# Allegro board MK60_PACK_V10A.brd (continued)
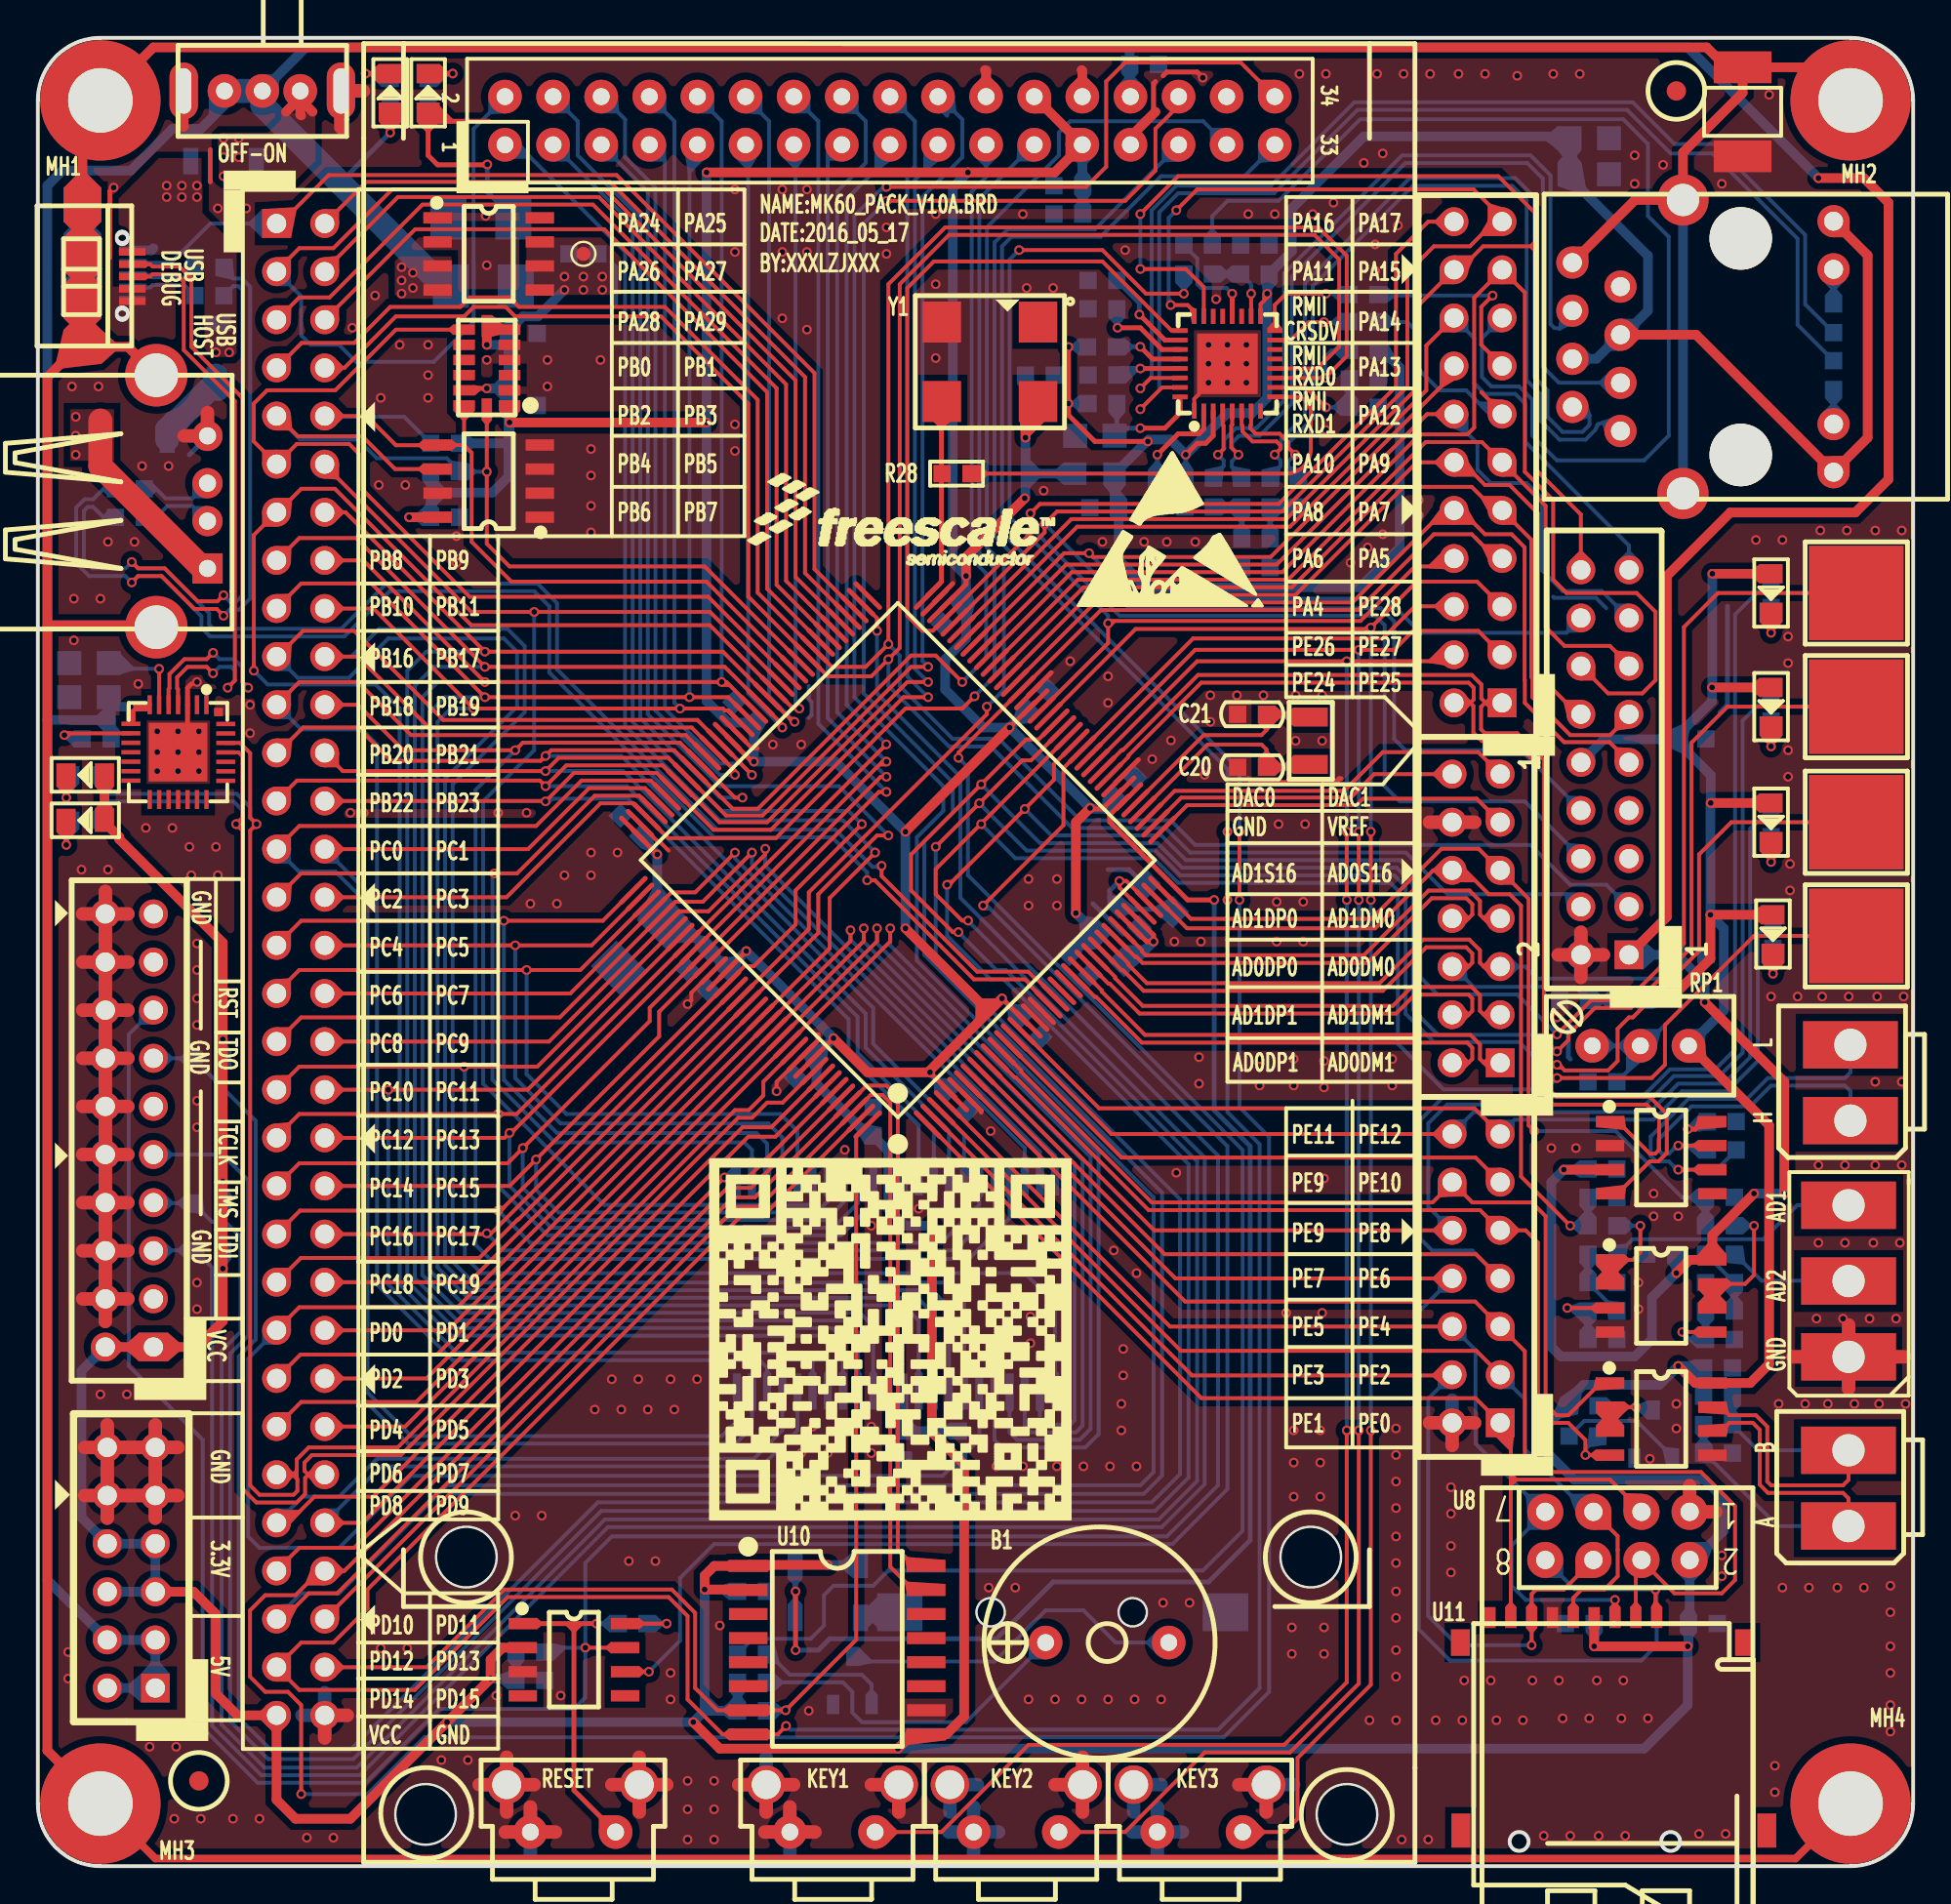
[diagram p0: board, top side]
## Routing (per net, layer and track width the routed paths; a pad name or vN(x,y) marks a point on that pad's centre or on a via; arc(x,y) is an arc through that point)
GND: length 326.9
  TOP w0.203: 38,59 37.7,59 36.74,59.96 U2.93 ; U2.107 31.79,55.01 32.7,54.1 32.8,54.1 33.3,53.6 ; v1(39,40.9) 39,41.4 U2.134 ; U2.121 35.67,47.27 34.5,46.1 34.5,45.7 v1(34.3,45.5) ; 61.3,77.7 61.05,77.45 U5.1
  TOP w0.254: U2.57 52.29,61.79 53.5,63 ; 41.2,43.9 41.2,43.6 40.27,42.67 U2.134 ; 48.3,67.7 47.34,66.74 U2.71 ; 59,92.6 58.9,92.7 58.9,94.1 59,94.2 ; U2.6 49.8,39.86 49.8,39.8 ; 68.8,57.4 68.7,57.4 68.5,57.2 64.1,57.2 63.9,57.4 ; U2.44 56.89,57.19 58.1,58.4 ; 59.4,94.5 59.6,94.7 61.2,94.7 v1(61.5,94.4) ; v1(7.4,58.8) 7.9,59.3 U14.3 7.9,62.2 8.1,62.4 ; 9.1,90.6 9.1,88.9 ; v1(4,88.6) 3.8,88.4 3.8,84.9
  TOP w0.508: 50,94.8 50.06,94.74 J2.22 ; SW5.5 7.7,91.8 ; 55.1,94.8 55.14,94.76 J2.26 ; J2.27 57.68,91.28 59,92.6
  TOP w0.711: J3.16 4.75,45.18 ; J3.16 2.37,45.18 ; J3.16 3.56,43.99 ; J3.16 3.56,46.37 ; 24.68,1.8 SW2.2 ; SW2.2 27.32,1.8 ; SW2.2 26,3.12 ; J3.18 4.75,47.72 ; J3.18 3.56,46.53 ; J3.18 2.37,47.72 ; J3.18 3.56,48.91 ; J8.11 7.39,22.1 ; J8.11 6.2,20.91 ; J8.11 6.2,23.29 ; J8.11 5.01,22.1 ; 2.37,37.56 J3.10 ; J3.10 3.56,36.37 ; J3.10 4.75,37.56 ; J3.10 3.56,38.75 ; 38.38,1.8 SW1.2 ; SW1.2 39.7,3.12 ; SW1.2 41.02,1.8 ; 63.4,4.3 SW4.4 64.85,2.85 ; 6.2,18.37 J8.9 ; J8.9 7.39,19.56 ; J8.9 6.2,20.75 ; J8.9 5.01,19.56 ; J8.12 3.66,23.29 ; J8.12 2.47,22.1 ; J8.12 3.66,20.91 ; J8.12 4.85,22.1 ; J3.12 4.75,40.1 ; J3.12 2.37,40.1 ; J3.12 3.56,38.91 ; J3.12 3.56,41.29 ; 2.37,29.94 J3.4 ; J3.4 4.75,29.94 ; J3.4 3.56,28.75 ; J3.4 3.56,31.13 ; 92.66,26.88 J10.1 ; J10.1 98.53,26.88 ; J10.1 95.59,28.56 ; J10.1 95.59,25.2 ; J7.2 75.85,23.4 ; J7.2 74.66,22.21 ; J7.2 73.47,23.4 ; 81.46,46.91 J5.2 ; J5.2 82.65,48.1 ; J5.2 80.27,48.1 ; J5.2 81.46,49.29 ; 2.37,32.48 J3.6 ; J3.6 4.75,32.48 ; J3.6 3.56,33.67 ; J3.6 3.56,31.29 ; 3.56,41.45 J3.14 ; J3.14 3.56,43.83 ; J3.14 4.75,42.64 ; J3.14 2.37,42.64 ; SW3.4 55.15,5.75 ; SW3.4 55.15,2.85 ; SW3.4 53.7,4.3 ; 8.95,76.73 USB3.4 7.72,75.49 ; 17.18,93.7 SW5.1 16,91.77 ; 2.37,35.02 J3.8 ; J3.8 3.56,36.21 ; J3.8 3.56,33.83 ; J3.8 4.75,35.02 ; 2.37,50.26 J3.20 ; J3.20 3.56,51.45 ; J3.20 4.75,50.26 ; J3.20 3.56,49.07 ; SW2.1 24.75,5.75 ; SW2.1 24.75,2.85 ; SW2.1 26.2,4.3 ; SW2.1 23.3,4.3 ; 2.47,19.56 J8.10 ; J8.10 3.66,18.37 ; J8.10 4.85,19.56 ; J8.10 3.66,20.75 ; 75.85,55.1 J6.12 73.47,55.1 ; 38.45,2.85 SW1.1 ; SW1.1 39.9,4.3 ; SW1.1 37,4.3 ; 31.75,2.85 SW2.4 ; SW2.4 33.2,4.3 ; SW2.4 31.75,5.75 ; SW2.4 30.3,4.3 ; 15.14,6.77 J1.64 16.33,7.96 ; 87.2,20.08 U8.1 88.58,18.7 ; 45.45,2.85 SW1.4 44,4.3
  BOTTOM w0.203: 40.7,62.3 40.7,61.6 40.84,61.46 40.84,60.74 40.7,60.6 ; 80,67 80.05,66.95 82.25,66.95 82.8,66.4
  BOTTOM w0.254: 30.3,84.6 30.5,84.4 30.5,82.5 30.4,82.4 ; 57.3,49.2 55.7,50.8 ; 56.5,52.6 57.6,52.6 58.36,51.84 L2.1 ; 80.9,42.6 80.8,42.7 80.8,44.1 81,44.3 ; 88.8,60.9 89.2,61.3 89.2,66.5 ; 8,74.5 8.95,75.45 USB3.4
  BOTTOM w0.508: 50.1,94.8 50.06,94.76 J2.22 ; J2.26 55.14,94.76 55.1,94.8 ; USB2.5 5.98,85.28 6.1,85.4
  BOTTOM w0.711: 3.66,18.37 J8.10 ; J8.10 4.85,19.56 ; J8.10 3.66,20.75 ; J3.20 3.56,51.45 ; J3.20 4.75,50.26 ; J3.20 2.37,50.26 ; J3.20 3.56,49.07 ; 38.38,1.8 SW1.2 ; SW1.2 41.02,1.8 ; SW1.2 39.7,0.48 ; SW1.2 39.7,3.12 ; 13.95,7.96 J1.64 ; J1.64 16.33,7.96 ; J1.64 15.14,9.15 ; J1.64 15.14,6.77 ; 6.2,18.37 J8.9 ; J8.9 5.01,19.56 ; J8.9 7.39,19.56 ; J8.9 6.2,20.75 ; 75.85,55.1 J6.12 73.47,55.1 ; SW4.2 60.42,1.8 ; SW4.2 59.1,3.12 ; SW4.2 57.78,1.8 ; SW4.2 59.1,0.48 ; 2.37,45.18 J3.16 ; J3.16 3.56,43.99 ; J3.16 3.56,46.37 ; J3.16 4.75,45.18 ; 16,91.77 SW5.1 17.18,93.7 ; 57.85,2.85 SW4.1 59.3,4.3 ; 2.37,32.48 J3.6 ; J3.6 3.56,31.29 ; J3.6 3.56,33.67 ; J3.12 3.56,41.29 ; J3.12 2.37,40.1 ; J3.12 3.56,38.91 ; 95.59,25.2 J10.1 ; J10.1 92.66,26.88 ; J10.1 95.59,28.56 ; J10.1 98.53,26.88 ; SW2.1 26.2,4.3 ; SW2.1 24.75,2.85 ; SW2.1 24.75,5.75 ; SW2.1 23.3,4.3 ; J8.12 4.85,22.1 ; J8.12 3.66,20.91 ; J8.12 3.66,23.29 ; 80.27,48.1 J5.2 ; J5.2 81.46,49.29 ; J5.2 82.65,48.1 ; 74.66,24.59 J7.2 74.66,22.21 ; 26,0.48 SW2.2 ; SW2.2 24.68,1.8 ; SW2.2 26,3.12 ; SW2.2 27.32,1.8 ; J3.4 3.56,31.13 ; J3.4 3.56,28.75 ; J3.4 2.37,29.94 ; 45.45,2.85 SW1.4 44,4.3 ; 3.56,36.37 J3.10 ; J3.10 2.37,37.56 ; J3.10 3.56,38.75 ; 2.37,42.64 J3.14 ; J3.14 3.56,43.83 ; J3.14 3.56,41.45 ; J3.18 3.56,48.91 ; J3.18 4.75,47.72 ; J3.18 2.37,47.72 ; J3.18 3.56,46.53 ; 48.08,1.8 SW3.2 ; SW3.2 49.4,3.12 ; SW3.2 49.4,0.48 ; SW3.2 50.72,1.8 ; 3.56,33.83 J3.8 ; J3.8 2.37,35.02 ; J3.8 3.56,36.21 ; J8.11 7.39,22.1 ; J8.11 6.2,23.29 ; J8.11 6.2,20.91 ; J8.11 5.01,22.1 ; 49.6,4.3 SW3.1 48.15,2.85 ; SW1.1 38.45,5.75 ; SW1.1 39.9,4.3 ; SW1.1 38.45,2.85 ; SW1.1 37,4.3 ; 64.85,2.85 SW4.4 ; SW4.4 63.4,4.3 ; SW4.4 66.3,4.3 ; SW2.4 33.2,4.3 ; SW2.4 30.3,4.3 ; SW2.4 31.75,2.85 ; SW2.4 31.75,5.75 ; 55.15,2.85 SW3.4 53.7,4.3
  vias: v1(1.6,11.3) v1(1.6,9.9) v1(1.8,78.1) v1(1.9,66.9) v1(1.9,64.7) v1(2.3,52.6) v1(3.2,78.1) v1(3.3,66.9) v1(3.3,24.9) v1(3.7,69.9) v1(3.7,52.6) v1(4.7,24.9) v1(5.1,69.9) v1(5.3,62.4) v1(5.5,73.9) v1(5.7,54.8) v1(5.9,6.3) v1(6.3,59.9) v1(6.3,58.8) v1(6.3,57.8) v1(6.9,73.9) v1(7.1,54.8) v1(7.2,2.5) v1(7.3,6.3) v1(7.4,59.9) v1(7.4,57.8) v1(8,53.8) v1(8.1,52.3) v1(8.4,62.5) v1(8.4,48.7) v1(8.4,47.3) v1(8.4,45.8) v1(8.4,44.4) v1(8.4,40.4) v1(8.4,39) v1(8.4,30.8) v1(8.4,29.4) v1(8.5,59.9) v1(8.5,58.8) v1(8.5,57.8) v1(8.6,2.5) v1(9.4,53.8) v1(9.5,87.5) v1(9.5,52.3) v1(10.3,2.5) v1(11,87.5) v1(11.2,61.3) v1(11.2,59.8) v1(11.7,2.5) v1(14.2,1.5) v1(15.6,1.5) v1(16.5,55.6) v1(16.6,81.2) v1(17.2,55.6) v1(17.8,82.9) v1(18,72.9) v1(18.1,77.5) v1(18.1,11.5) v1(19.1,80.3) v1(19.4,72.9) v1(19.5,11.5) v1(20.6,80.3) v1(20.6,78.7) v1(20.6,77.5) v1(21.3,5.6) v1(22.1,70.2) v1(22.1,68.8) v1(22.7,5.6) v1(23.64,87.1) v1(23.7,84.5) v1(23.7,79.5) v1(24.2,9) v1(24.3,55.6) v1(25.2,18.5) v1(25.8,55.6) v1(26,50.8) v1(26.6,18.5) v1(26.9,79.5) v1(26.9,78.1) v1(27.4,50.8) v1(27.6,9) v1(27.8,52.3) v1(29.2,74.8) v1(29.2,73.4) v1(29.2,71.8) v1(29.2,70.4) v1(29.2,53.5) v1(29.2,52.3) v1(29.4,24.1) v1(29.7,79.5) v1(30.3,25.7) v1(30.6,53.5) v1(30.8,24.1) v1(31.2,16.1) v1(31.7,25.7) v1(32.2,24.1) v1(32.6,16.1) v1(33.4,25.7) v1(33.4,10.2) v1(33.4,8.8) v1(33.6,24.1) v1(34.3,4.5) v1(34.3,3) v1(34.3,1.4) v1(34.8,25.7) v1(35.7,4.5) v1(35.7,3) v1(35.7,1.4) v1(36,12.7) v1(36.8,88.5) v1(36.8,85.2) v1(36.8,76.1) v1(36.8,74.7) v1(38.8,59.2) v1(39.3,88.5) v1(39.3,85.2) v1(39.3,81.7) v1(40.3,59.2) v1(40.3,21.8) v1(40.6,88.5) v1(40.6,85.2) v1(40.6,81.1) v1(40.7,8.2) v1(40.9,23.2) v1(41.7,21.8) v1(42.3,23.2) v1(42.6,37.81) v1(44,33.8) v1(44,23.2) v1(44,21.8) v1(44.8,86.5) v1(44.8,85.1) v1(46.5,34.7) v1(47.4,87.2) v1(47.4,83.5) v1(47.4,79.6) v1(48.1,34.7) v1(50.2,14.7) v1(50.3,38.8) v1(50.4,29) v1(50.4,27.6) v1(50.6,21.1) v1(50.8,32.3) v1(51.6,14.7) v1(52,87.2) v1(52,21.1) v1(52.2,83.3) v1(52.2,32.3) v1(52.3,52.1) v1(52.3,50.7) v1(52.3,8.8) v1(52.4,29) v1(52.4,27.6) v1(53.1,72.6) v1(53.6,83.3) v1(53.7,8.8) v1(53.8,52.1) v1(53.8,50.7) v1(53.8,21.1) v1(54.5,63.6) v1(55.1,8.8) v1(55.2,21.1) v1(56.2,69.9) v1(56.5,62.8) v1(56.5,61.4) v1(56.5,8.8) v1(56.6,21.1) v1(56.8,32.5) v1(57.2,24.4) v1(57.2,23) v1(57.3,27.3) v1(57.3,25.9) v1(57.4,85.3) v1(57.9,8.8) v1(58,31.3) v1(58,21.1) v1(58.4,69.9) v1(58.83,58.43) v1(59.3,8.8) v1(59.4,13.9) v1(59.6,69.9) v1(59.82,59.42) v1(60,48.8) v1(60.1,36.6) v1(60.8,13.9) v1(61.1,69.9) v1(61.3,42.7) v1(61.3,41.3) v1(61.4,48.8) v1(61.6,57.6) v1(61.8,80.3) v1(61.8,79.3) v1(61.8,78.3) v1(61.9,61.8) v1(61.9,60.4) v1(62.2,82.71) v1(62.4,69.9) v1(62.8,80.3) v1(62.8,79.3) v1(62.8,78.3) v1(63.3,61.8) v1(63.8,80.3) v1(63.8,79.3) v1(63.8,78.3) v1(63.9,87.2) v1(64.5,42.6) v1(64.5,41.2) v1(64.7,61.8) v1(65.3,87.2) v1(65.4,50.9) v1(65.4,48.8) v1(65.5,55) v1(65.9,29.2) v1(66.2,12.6) v1(66.2,11.2) v1(66.3,42.6) v1(66.3,41.2) v1(66.3,23) v1(66.3,21.3) v1(66.3,19.5) v1(66.4,61.8) v1(66.4,59.4) v1(66.5,36.3) v1(66.6,94.6) v1(66.8,50.9) v1(66.8,48.8) v1(66.9,55) v1(67.3,87.2) v1(67.7,23) v1(67.7,21.3) v1(67.7,19.5) v1(67.8,61.8) v1(67.8,59.4) v1(67.8,29.2) v1(67.9,42.5) v1(67.9,41.1) v1(67.9,36.3) v1(67.9,12.6) v1(67.9,11.2) v1(68,94.6) v1(68,75.8) v1(68.4,87.8) v1(69.3,68.8) v1(70,89.9) v1(70.2,69.6) v1(70.3,7.7) v1(70.6,85.6) v1(70.6,84.2) v1(70.7,94.6) v1(71,90.4) v1(71,70.3) v1(71.5,42.6) v1(71.5,41.2) v1(71.7,23.1) v1(71.7,21.7) v1(71.7,20.3) v1(71.7,18.9) v1(71.7,17.4) v1(71.7,16) v1(71.7,14.5) v1(71.7,13.1) v1(71.7,11.4) v1(71.7,10) v1(71.7,7.7) v1(71.8,86.6) v1(72,1.4) v1(72.1,94.6) v1(72.9,72.1) v1(72.9,71.3) v1(73.4,1.4) v1(73.5,94.6) v1(73.8,7.7) v1(74.6,20) v1(74.6,18.6) v1(74.6,16.9) v1(74.6,15.5) v1(75,94.6) v1(75.2,7.7) v1(75.3,9.8) v1(76.4,94.6) v1(76.7,9.8) v1(77,7.7) v1(78.1,94.5) v1(78.4,7.7) v1(78.9,9.8) v1(79.5,1.6) v1(79.9,37.9) v1(80,94.6) v1(80.2,44.8) v1(80.3,9.8) v1(80.5,7.8) v1(80.9,1.6) v1(81.2,37.9) v1(81.4,94.6) v1(81.9,7.8) v1(82.3,9.8) v1(82.4,1.6) v1(83.6,7.8) v1(83.7,9.8) v1(83.8,1.6) v1(84.3,90.3) v1(84.3,88.8) v1(84.5,30.8) v1(84.5,29.4) v1(85,7.8) v1(85.1,21.5) v1(85.3,35.5) v1(85.3,34.3) v1(85.8,89.8) v1(86.5,24.4) v1(86.5,23.1) v1(86.6,34.3) v1(87.7,1.7) v1(88.9,88.8) v1(88.9,16.4) v1(88.9,15.3) v1(89.1,1.7) v1(90.7,70) v1(91.4,93.5) v1(91.5,45.9) v1(91.7,5.3) v1(91.7,3.9) v1(91.9,24.4) v1(92.1,70) v1(92.1,14.7) v1(92.4,64.9) v1(92.4,63.5) v1(92.4,58.9) v1(92.4,57.5) v1(92.5,52.9) v1(92.5,51.5) v1(92.9,45.9) v1(93.3,24.4) v1(93.5,14.7) v1(93.9,28.9) v1(94,37) v1(94,32.9) v1(94.1,70.5) v1(94.2,45.9) v1(94.5,24.4) v1(95,14.7) v1(95.3,28.9) v1(95.4,37) v1(95.4,32.9) v1(95.5,70.5) v1(95.6,45.9) v1(95.9,24.4) v1(96.4,14.7) v1(96.7,28.9) v1(96.9,32.9) v1(97,70.5) v1(97,41.4) v1(97,37) v1(97.1,45.9) v1(97.2,24.4) v1(97.8,14.8) v1(97.8,13.4) v1(97.8,11.6) v1(97.8,10.2) v1(97.8,8.5) v1(97.8,7.1) v1(98.1,28.9) v1(98.3,32.9) v1(98.4,70.5) v1(98.4,41.4) v1(98.4,37) v1(98.5,45.9) v1(98.6,24.4)
GND_EARTH: length 335.3
  TOP w0.4: MH3.1 6.2,0.4 92.8,0.4 MH4.1
  TOP w0.508: 0.5,65.4 0.5,78.6 2.09,80.19 USB1.9 ; 0.5,65.4 0.6,65.5 6.15,65.5 USB3.5 ; 0.5,65.4 0.5,6.1 MH3.1 ; J9.8 84.31,87.94 86.85,87.94 86.85,90.45 90,93.6 BEAD1.1 ; BEAD1.1 89.15,94.95 88.1,96 6.1,96 MH1.1 2.35,92.25 USB1.6 USB1.7 USB1.8 USB1.9 ; BEAD1.1 93.85,94.95 95.6,93.2 MH2.1 ; USB1.9 4.75,80.19 USB3.6
  BOTTOM w0.508: USB3.6 4.75,80.19 USB1.9 USB2.7 USB2.8 USB1.6 ; 86.85,87.94 J9.13
VBAT: length 77.3
  TOP w0.254: v1(40,11.4) v1(40,14.5) ; U2.42 57.56,56.46 56.58,55.48 56.58,55.12 60.7,51 v1(62.1,51)
  BOTTOM w0.254: v1(40,11.4) 41.2,11.4 41.8,12 50.6,12 53.6,15 61.8,15 64,17.2 64,38 62.1,39.9 v1(62.1,51) ; D6.2 D5.2 40,15.87 v1(40,14.5)
VCC_3V3: length 616.9
  TOP w0.254: v1(23.73,89.82) 23.72,89.82 23.7,89.8 21.1,89.8 20.6,90.3 D11.1 20.72,92.58 21.2,92.1 23.8,92.1 ; U2.135 40.63,42.33 v1(42,43.7) ; U2.43 57.21,56.81 56.2,55.8 55.6,55.8 v1(55.55,55.85) ; v1(37.8,58.3) 37.7,58.3 36.38,59.62 U2.94 ; U2.16 52.26,44.44 v1(50.9,45.8) ; v1(49,68.1) 49,67.66 U2.70 ; v1(47.1,41.9) 48.41,40.59 U2.5 ; v1(51.3,60.1) 52.61,61.41 U2.56 ; U6.12 22.6,78 v1(23.7,78) ; 31.43,54.69 31.43,54.67 v1(32.7,53.4) ; U2.122 36.03,46.93 v1(37.4,48.3)
  TOP w0.508: v1(52.1,72.2) 49,69.1 v1(49,68.1) ; D1.1 v1(88.4,68.22) ; v1(19.6,71.2) U7.8 ; v1(87.1,11.6) v1(82.16,11.6) U11.4 ; v1(86.1,45.7) 88.3,47.9 v1(88.3,50.22) D4.1 ; U3.2 24.53,11.53 23.9,10.9 v1(23.9,9.9) v1(21.6,7.6) 16.5,2.5 13.6,2.5 12.6,3.5 J1.63 10.54,7.96 9.4,9.1 9.4,13.3 8.22,14.48 J8.5 ; v1(34.6,7.6) 36,6.2 v1(45.4,6.2) 46.16,6.96 U10.9 47.95,6.96 48.9,7.9 48.9,21.2 47.2,22.9 v1(47.2,22.96) v1(47.2,33.8) ; D2.1 v1(88.38,62.22) ; v1(35.3,89.4) v1(49.1,89.4) 53.68,89.4 J2.25 J2.24 ; 50.2,45.1 v1(50.9,45.8) ; 50.2,45.1 47.1,42 v1(47.1,41.9) 43.8,41.9 v1(42,43.7) ; 50.2,45.1 v1(45.8,49.5) ; v1(54.8,50.3) 54.8,55.1 v1(55.55,55.85) ; v1(86.6,26.4) 87.5,25.5 U13.8 90.4,25.5 91.4,26.5 91.4,39.1 87.2,43.3 RP1.1 ; v1(41.7,15.9) 37.56,15.9 37.5,15.85 35.71,15.85 35.2,15.34 v1(35.2,14.6) 37.48,14.6 37.5,14.57 ; v1(52.14,75.4) 52.14,76.65 Y1.4 ; v1(35.3,76.2) v1(24.9,76.2) U6.1 ; J3.2 J3.1 8.4,27.4 9.76,28.76 v1(9.76,31.54) v1(9.76,36.14) v1(9.76,43.64) 9.76,48.74 4.29,54.21 4.29,54.32 3.52,55.1 D8.1 D7.1 ; U6.6 23.9,81.1 U6.7 v1(23.7,80.3) ; v1(51.3,60.1) v1(45.8,54.6) ; D3.1 v1(88.32,56.12)
  BOTTOM w0.203: R11.2 v1(86.1,45.7)
  BOTTOM w0.254: v1(47.1,41.9) 47.1,41.8 C16.2 ; v1(50.9,45.8) C9.2 ; C48.1 23.73,88.37 v1(23.73,89.82)
  BOTTOM w0.508: J3.2 2.3,26.14 2.3,18.4 3.66,17.04 J8.8 J8.7 J8.5 J8.6 ; v1(45.4,6.2) 84.8,6.2 87.1,8.5 v1(87.1,11.6) 87.14,11.64 C34.1 87.2,12.86 U8.2 87.46,16.16 89,17.7 89,19.4 88,20.4 81.1,20.4 79.7,21.8 79.7,23.3 80.7,24.3 R49.1 80.84,24.64 81.6,25.4 85.6,25.4 v1(86.6,26.4) 87.84,26.4 C44.1 R48.2 ; J2.25 55.14,88.72 C50.2 C51.2 ; R12.2 C6.2 25.14,9.9 v1(23.9,9.9) ; R36.1 20.74,72.5 ; 20.74,72.5 C33.1 v1(19.6,71.2) ; 20.74,72.5 24,72.5 24.84,73.34 24.84,75.2 ; C4.1 86.52,59.48 82.68,59.48 J5.10 ; C4.1 86.54,59.64 88.38,61.48 v1(88.38,62.22) 88.4,62.23 v1(88.4,68.22) ; C4.1 86.54,59.36 88.32,57.58 v1(88.32,56.12) 88.3,56.1 v1(88.3,50.22) 88.3,50.2 89,49.5 89,45.16 RP1.1 ; C42.1 82.16,11.6 v1(82.16,11.6) ; C11.2 55.56,49.24 L1.1 v1(54.8,50.3) ; C13.2 31.84,54.26 v1(32.7,53.4) 32.7,50.2 C19.1 33.98,49.8 C10.2 C17.2 v1(37.4,48.3) 41.39,44.31 41.39,44.31 41.81,43.89 41.81,43.89 v1(42,43.7) C7.2 41.1,42.68 41.1,41.3 43.86,38.54 C2.1 44.9,37.74 U1.33 44.9,34.7 45.8,33.8 v1(47.2,33.8) ; C8.2 56.31,55.81 55.59,55.81 v1(55.55,55.85) v1(51.3,60.1) ; C5.2 v1(52.14,75.4) 52.14,73.5 ; v1(51.3,60.1) 52.16,60.96 C12.2 ; v1(51.3,60.1) 49.9,60.1 47.9,62.1 47.9,63.7 49,64.8 49,66.48 C15.2 49,66.8 v1(49,68.1) 48.3,68.8 48.3,88.6 v1(49.1,89.4) ; 52.14,73.5 52.14,72.24 v1(52.1,72.2) ; 52.14,73.5 L3.1 ; v1(23.7,78) 24.84,78 ; 24.84,78 24.84,80.3 ; 24.84,78 C32.1 24.84,75.2 ; 35.2,8.2 v1(34.6,7.6) v1(21.6,7.6) ; 35.2,8.2 R41.2 R4.1 ; 35.2,8.2 v1(35.2,14.6) 36.84,14.6 C39.1 ; 24.84,80.3 C36.1 24.84,81.04 25.6,81.8 26.4,81.8 v1(27.8,83.2) ; 24.84,80.3 v1(23.7,80.3) ; R1.1 v1(47.2,22.96) C1.2 U1.11 ; R8.2 v1(9.76,31.54) ; 24.84,75.2 24.74,75.1 R35.1 ; 24.84,75.2 24.9,75.26 v1(24.9,76.2) ; v1(35.3,89.4) v1(35.3,76.2) 35.3,61.5 36.44,60.36 C14.2 37.8,60.32 v1(37.8,58.3) 42.1,58.3 v1(45.8,54.6) v1(45.8,49.5) ; R10.2 v1(9.76,43.64) ; v1(9.76,36.14) R9.2 ; D5.1 v1(41.7,15.9)
  vias: v1(27.8,83.9) v1(28.8,83.9) v1(28.8,83.2) v1(29.8,83.9) v1(29.8,83.2)
VCC_5V: length 319.9
  TOP w0.254: U14.7 5.8,61.3 5.7,61.2 ; U14.8 4.91,60.49 4.9,60.5 ; D12.1 v1(18.6,91.5)
  TOP w0.508: 4.9,60.5 v1(4.9,61.2) 5.7,61.2 ; U12.3 v1(80.56,36.76) ; v1(86.5,31.3) 87.2,32 U9.8 88.4,33.3 v1(90.6,35.5) ; v1(92.2,35.5) 92.2,41.4 v1(88,45.6) ; v1(94,89.1) 96.4,89.1 97.7,87.8 97.7,73.2 95.95,71.45 89.35,71.45 86,68.1 86,50.1 J5.1
  BOTTOM w0.254: 15.95,88.85 18.6,91.5 v1(18.6,91.5)
  BOTTOM w0.508: J5.1 C3.1 88,46.64 v1(88,45.6) ; C46.1 3.86,61.58 ; 3.86,61.58 3.86,60.5 ; 3.86,61.58 4.24,61.2 v1(4.9,61.2) ; 57.6,96 57.64,95.96 C52.2 57.64,93.44 J2.28 ; 57.6,96 87.1,96 v1(94,89.1) ; 57.6,96 14.15,96 SW5.3 ; R55.2 3.86,60.5 ; 3.86,60.5 0.5,60.5 ; 0.5,60.5 0.5,15.1 J8.4 J8.3 J8.1 J8.2 ; 0.5,60.5 0.5,88.7 1.3,89.5 4.9,89.5 7.1,91.7 8.6,91.7 9.85,92.95 SW5.4 ; v1(90.6,35.5) v1(92.2,35.5) ; C35.2 86.5,32.26 v1(86.5,31.3) 85.21,30.01 85.21,27.81 84.3,26.9 80.41,26.9 79.9,27.41 79.9,36.1 v1(80.56,36.76) 81.8,36.76 C43.1
  BOTTOM w1.27: C47.1 21.4,83.4 11.85,92.95 SW5.3 SW5.4
  vias: v1(19.2,84.4) v1(19.2,83.7) v1(19.2,83) v1(19.8,84.1) v1(19.8,83.3)
VCC_KSZ8041: length 130.4
  TOP w0.203: v1(64.9,83) 64.9,82.8 64.55,82.45 U5.17
  TOP w0.254: v1(58.6,75.2) 55.8,75.2 54.41,76.59 54.41,77.4 ; 54.41,77.4 v1(54.41,80.19) ; 54.41,77.4 54.4,77.39 v1(54.4,77.2) ; v1(60.6,74.5) 61.2,75.1 61.65,75.1 62.05,75.5 U5.3
  TOP w0.508: J9.5 87.55,80.83 J9.9 94.8,73.6 96.6,75.4 96.6,85.03 J9.12
  BOTTOM w0.254: R16.1 v1(54.4,77.2) ; v1(60.6,74.5) 60.6,73.31 C26.2 ; R27.2 v1(54.41,80.19) ; v1(58.6,75.2) 58.6,75.26
  BOTTOM w0.508: R32.1 71,80 71.9,79.1 71.9,69.6 69.8,67.5 58.5,67.5 57.06,68.94 C27.2 56.84,71.92 L3.2 58.64,75.3 59.8,75.3 v1(60.6,74.5) 62.8,76.7 64.1,76.7 64.9,77.5 v1(64.9,83) 64.9,83.94 C25.2 66.2,85.24 66.2,87.5 70,91.3 79.74,91.3 79.84,91.2 C23.2 C28.1 80.86,89.14 85,85 85,82.1 83.73,80.83 J9.5 82.28,79.56 J9.4
VCC_VUSB: length 4.9
  BOTTOM w1.27: D10.2 9.4,78.07 9.4,78.32 ; 9.4,78.32 7.28,76.21 7.21,76.21 6.83,75.83 D9.1 ; 9.4,78.32 9.4,78.67
  vias: v1(6.8,88.7) v1(6.8,88.1) v1(7.6,88.7) v1(7.6,88.1) v1(8.4,88.7) v1(8.4,88.1) v1(9.4,79.9) v1(10.1,79.9)
VDDA3V3: length 6.4
  TOP w0.254: U2.31 58.54,48.8 v1(58.9,48.8) 58.9,49.15 U2.32
  BOTTOM w0.508: C18.1 v1(58.9,48.8) 57.86,47.76 L1.2
VSSA: length 8.9
  TOP w0.203: U2.33 57.1,51.65 v1(57.1,52) 57.46,52 U2.34
  BOTTOM w0.254: v1(57.1,52) 56.58,51.48 56.58,51.12 C18.2 57.2,50.5 59.8,50.5 L2.2
485_R: length 47.5
  TOP w0.203: U13.1 82.5,25.5 80.8,23.8 80.17,23.8 79.6,24.37 79.6,34.3 78.87,35.03 75.73,35.03 J7.12 74.66,36.06 73.63,35.03 58.8,35.03 51.92,41.92 51.92,41.99 U2.12
485_T: length 48
  TOP w0.203: U2.11 51.56,41.63 51.63,41.63 58.64,34.63 76.13,34.63 J7.9 78.54,33.56 79.19,32.91 79.19,24.21 80.01,23.39 80.8,23.39 81.7,22.49 v1(81.7,21.7) 82.99,21.7 U13.4
  BOTTOM w0.203: R52.2 82.36,22.66 81.7,22 v1(81.7,21.7)
A4: length 95.1
  TOP w0.203: v1(70.37,23) 70.37,9.57 66.5,5.7 66.5,2.5 65.8,1.8 SW4.3 ; v1(70.37,51) v1(70.37,54.6) ; J4.5 75.98,67.8 72.8,67.8 v1(70.37,65.37) 70.3,65.3 57.95,65.3 53.35,60.7
  BOTTOM w0.203: v1(70.37,65.37) v1(70.37,54.6) ; v1(70.37,51) v1(70.37,23)
A6: length 111.6
  TOP w0.203: J4.7 76.98,69.02 75.7,70.3 73.7,70.3 69.7,66.3 56.12,66.3 U2.58 48.6,58.77 v1(48.6,58.5)
  BOTTOM w0.203: v1(48.6,58.5) 49.1,58 49.1,52.3 63.6,37.8 63.6,17.7 61.5,15.6 44.9,15.6 44.1,14.8 42,14.8 41.5,14.3 41.5,12.7 40.8,12 37.74,12 R6.1
A7: length 46.5
  TOP w0.203: U2.59 55.82,66.7 69.4,66.7 74.26,71.56 J4.10 75.14,71.56 76.4,70.3 77.8,70.3 78.49,69.61 78.49,62.61 78.5,62.59 78.5,61.4 80.57,59.33 82.97,59.33 84,58.3 J5.9
A8: length 47.7
  TOP w0.203: J5.11 84,60.7 83,59.7 80.9,59.7 78.9,61.7 78.9,62.7 78.84,62.75 78.84,70.02 J4.9 76.94,71.56 75.7,72.8 72.1,72.8 66.4,67.1 55.51,67.1 51.23,62.82 U2.60
A9: length 45.6
  TOP w0.203: J5.12 81.3,60.8 79.2,62.9 79.2,71.4 77.7,72.9 76.4,72.9 75.2,74.1 J4.12 72.8,74.1 66.2,67.5 55.2,67.5 U2.61
A10: length 47
  TOP w0.203: U2.62 54.9,67.9 66,67.9 73.27,75.17 76.23,75.17 J4.11 79.6,71.8 79.6,65.4 80.59,64.41 82.99,64.41 84,63.4 J5.13
A11: length 71.6
  TOP w0.203: U2.63 54.59,68.3 65.7,68.3 72.97,75.57 75.47,75.57 75.83,75.93 75.83,82.79 J4.19 78.5,83.06 78.5,73.6 80,72.1 80,67.9 80.7,67.2 84.4,67.2 85.4,66.2 85.4,62.6 84.7,61.9 82.9,61.9 J5.14
A12: length 47
  TOP w0.203: U2.64 49.82,64.24 54.28,68.7 65.4,68.7 73.34,76.64 J4.14
  BOTTOM w0.203: J5.15 83.98,65.88 82.56,67.3 80.5,67.3 79.4,68.4 79.4,72.2 78.6,73 76.7,73 76,73.7 76,75.1 74.76,76.34 J4.14
A13: length 59.8
  TOP w0.203: U2.65 54.17,69.3 v1(55.5,69.3) 55.7,69.1 65.08,69.1 74.76,78.78 J4.16
  BOTTOM w0.203: v1(55.5,69.3) 57.9,66.9 71.2,66.9 73,65.1 80.7,65.1 81.46,65.86 J5.16
A14: length 52
  TOP w0.203: U2.66 54.87,70.7 66.1,70.7 73.3,77.9 73.3,80.26 J4.18
  BOTTOM w0.203: J5.17 84,69.7 78.53,75.17 78.53,77.17 77.99,77.71 76.39,77.71 75.83,78.27 75.83,80.65 J4.18
A25: length 44.1
  TOP w0.203: U2.76 40.5,68.25 40.5,78.6 30.2,88.9 17.34,88.9 J1.2
A26: length 74.2
  TOP w0.203: U2.77 40,68.05 40,78.42 29.92,88.5 18.7,88.5 15.6,85.4 13.8,85.4 12.6,84.2 J1.3
  BOTTOM w0.203: J1.3 13.9,82.86 13.9,80.8 14.4,80.3 15.9,80.3 16.8,79.4 20.9,79.4 23.01,81.51 23.01,84.65 23,84.65 23,91.7 24.66,93.36 J2.2
A27: length 44.1
  TOP w0.203: U2.78 42.04,65.3 39.5,67.84 39.5,78.21 29.61,88.1 19.01,88.1 15.14,84.23 J1.4
A28: length 47.1
  TOP w0.203: J1.5 12.62,81.62 13.8,82.8 15.4,82.8 20.3,87.7 29.31,87.7 39,78.01 39,67.63 U2.79
A29: length 43.3
  TOP w0.203: J1.6 19.92,86.4 29.9,86.4 38.5,77.8 38.5,67.42 U2.80
AD0_DM1: length 24.6
  TOP w0.203: J6.1 76.34,42.4 76.13,42.6 76.13,43.37 75.63,43.87 58.45,43.87 56.16,46.16 56.16,46.23 U2.24
AD0_DP1: length 24.2
  TOP w0.203: J6.2 75.52,42.4 75.73,42.6 75.73,43.2 75.46,43.47 58.28,43.47 55.87,45.87 55.81,45.87 U2.23
AD1: length 42.4
  TOP w0.203: v1(80.9,33.8) 78.3,36.4 78.3,50.7 77.7,51.3 76.6,51.3 75.34,52.56 J6.10 73.66,52.56 70.6,49.5 60.67,49.5 U2.35
  BOTTOM w0.203: C38.2 R37.2 v1(80.9,33.8)
AD1_DM1: length 24
  TOP w0.203: U2.26 56.87,46.94 56.87,46.87 58.33,45.41 71.53,45.41 72.53,46.41 75.69,46.41 76.13,45.97 76.13,45.14 76.34,44.94 J6.3
AD1_DP1: length 23.6
  TOP w0.203: U2.25 56.51,46.58 56.58,46.58 58.16,45 71.7,45 72.7,46 75.52,46 75.73,45.8 75.73,45.14 75.52,44.94 J6.4
AD2: length 47
  TOP w0.203: v1(79,38.8) 78.7,39.1 78.7,51.06 J6.9 76.06,53.7 74.1,53.7 70.4,50 60.87,50 59.37,51.51
  BOTTOM w0.203: R42.2 C41.2 86.8,35.3 83.3,38.8 v1(79,38.8)
ADC0_DM0: length 42.5
  TOP w0.203: U2.28 57.58,47.64 57.58,47.58 58.55,46.61 70.83,46.61 73.13,48.91 75.57,48.91 76.13,48.34 76.13,47.68 76.34,47.48 J6.5
  BOTTOM w0.203: J6.5 78.52,47.48 79.15,46.85 86.35,46.85 86.71,46.49 86.71,45.21 84.8,43.3 RP1.2 84.6,42.64 R14.2
  BOTTOM w0.254: RP1.3 RP1.2
ADC0_DP0: length 32.6
  TOP w0.203: U2.27 57.22,47.29 57.29,47.29 58.38,46.2 71,46.2 73.3,48.5 75.4,48.5 75.73,48.17 75.73,47.68 75.52,47.48 J6.6
  BOTTOM w0.203: J6.6 74.72,47.48 75.79,46.41 81.15,46.41 R15.2 R11.1
